# Altium PCB ESP32_Demo.PcbDoc (part 1 of 7)
Units mil, origin at the board's own origin, x right, y up, seen from the top; angles counter-clockwise.
Board outline 940.03 x 1085.03 mil, 4 copper layers (TOP1, GND02, MidLayer3, BOTTOM4); 39 components, 58 nets, 242 pads, 201 vias.
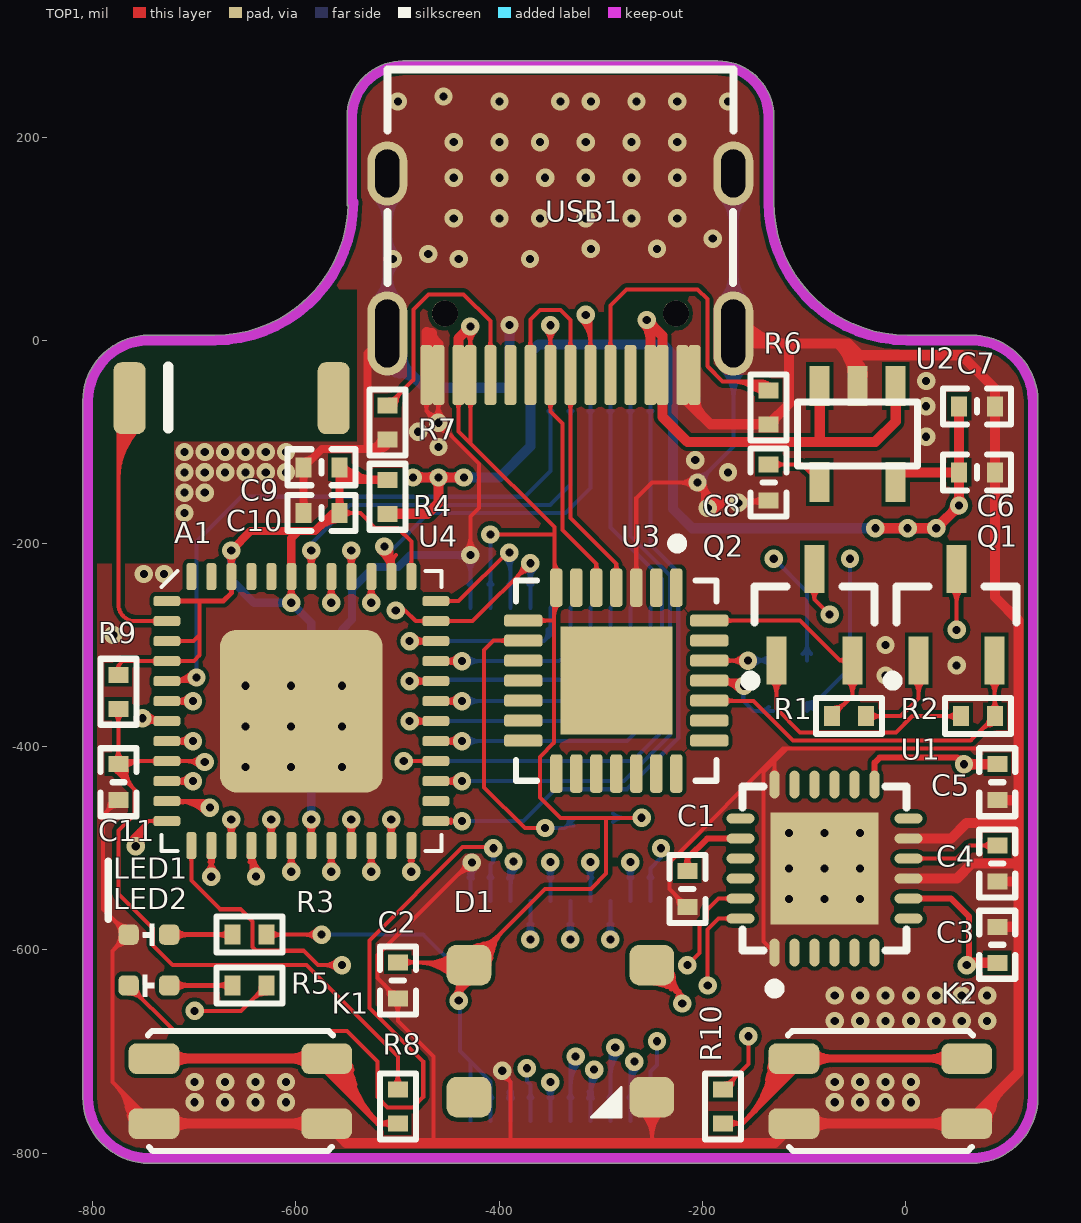
[diagram p0: TOP1 view]
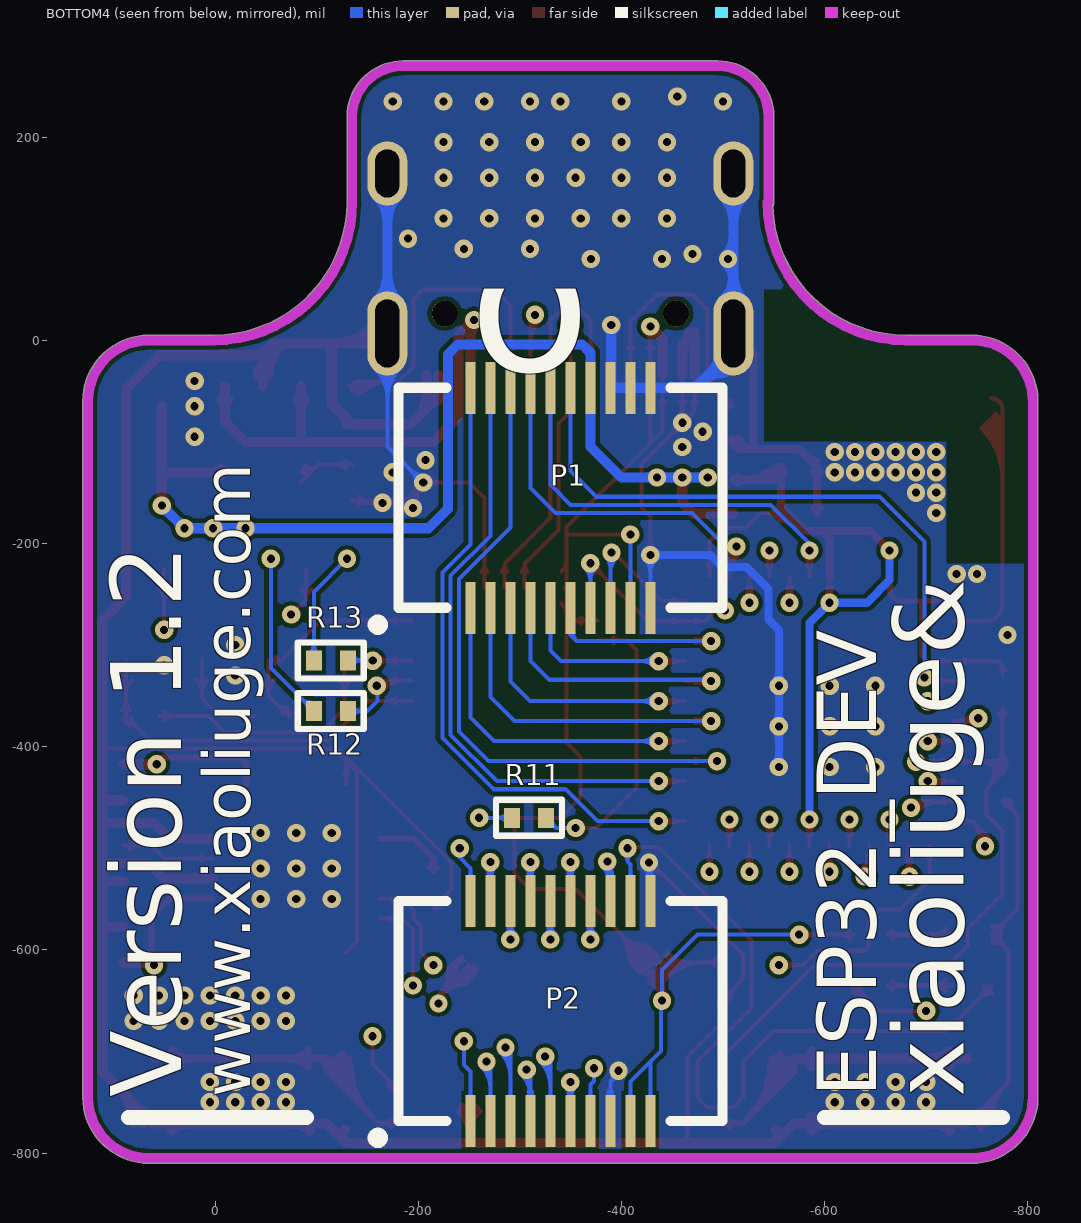
[diagram p1: BOTTOM4 view, seen from below]
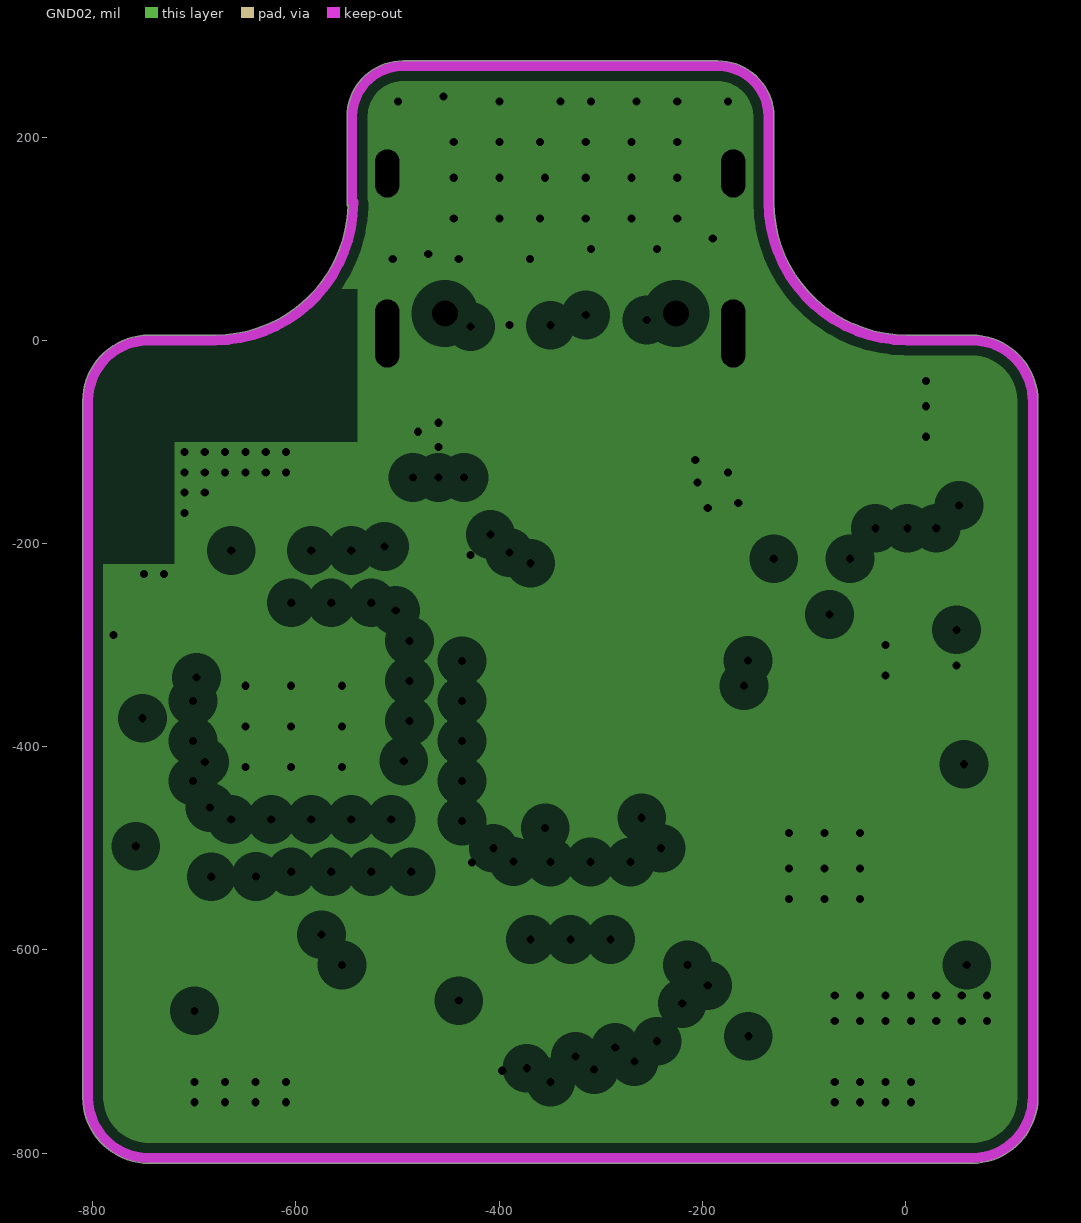
[diagram p2: GND02, clearances drawn from the general rule]
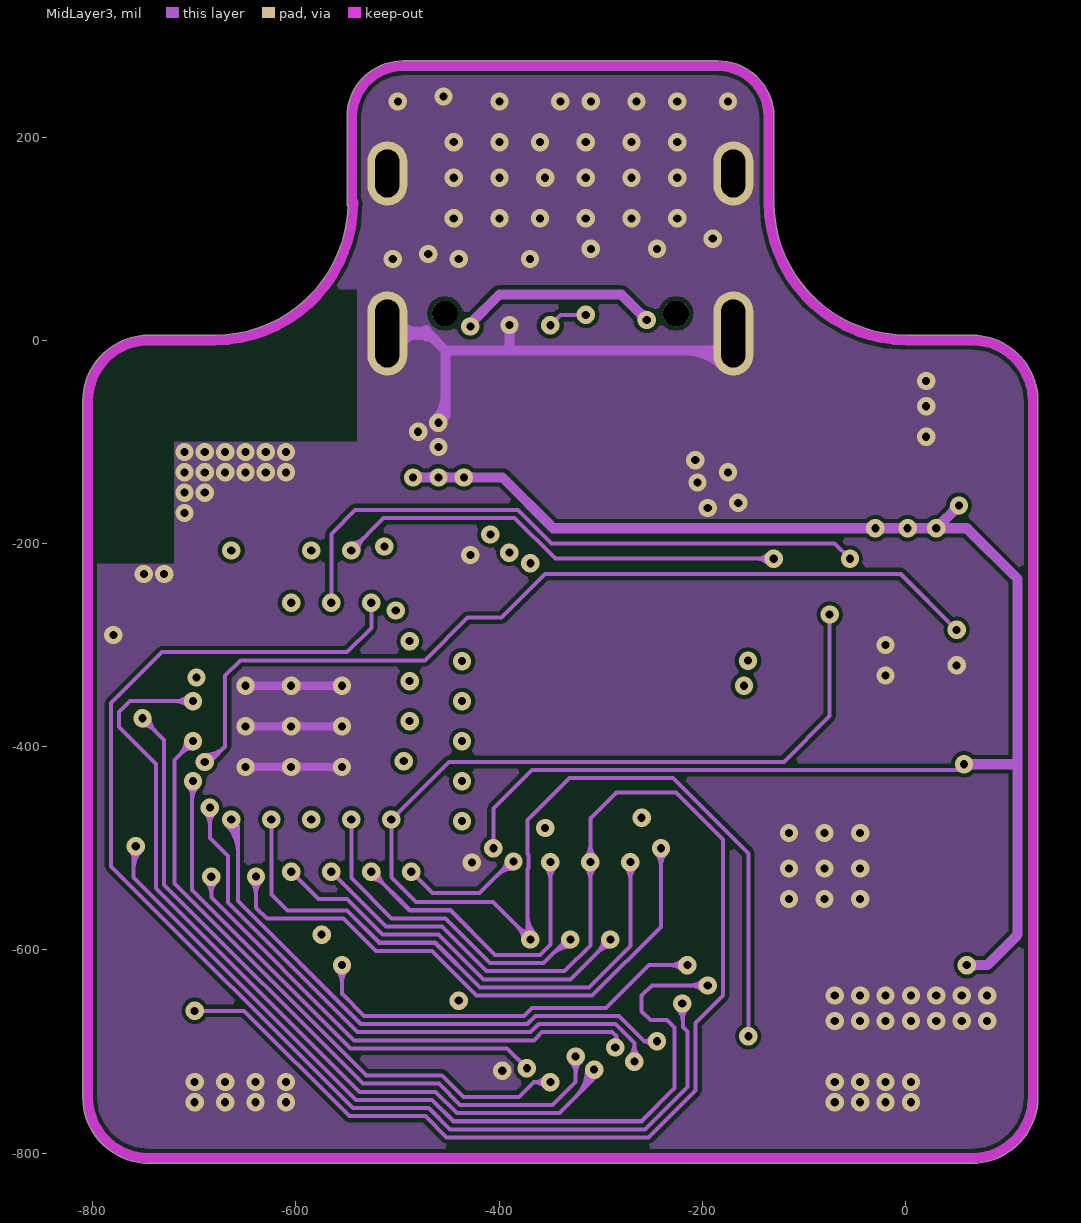
[diagram p3: MidLayer3]
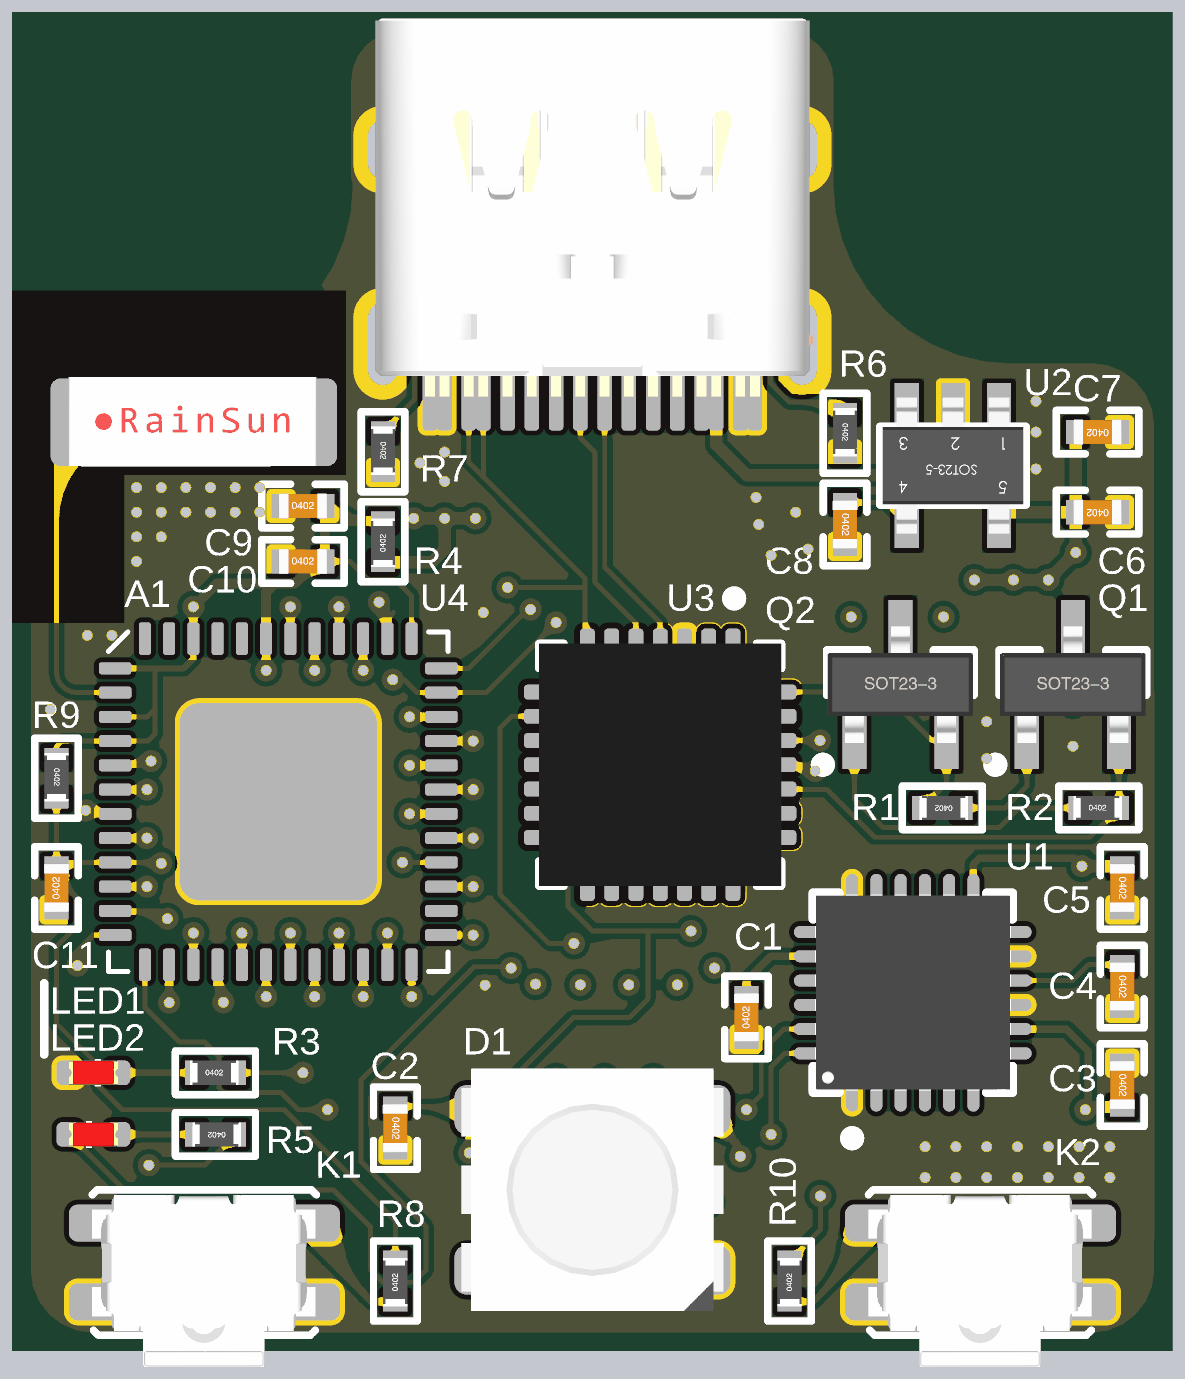
[diagram p10: 3D render of the assembled board from above, using the file's embedded part models]
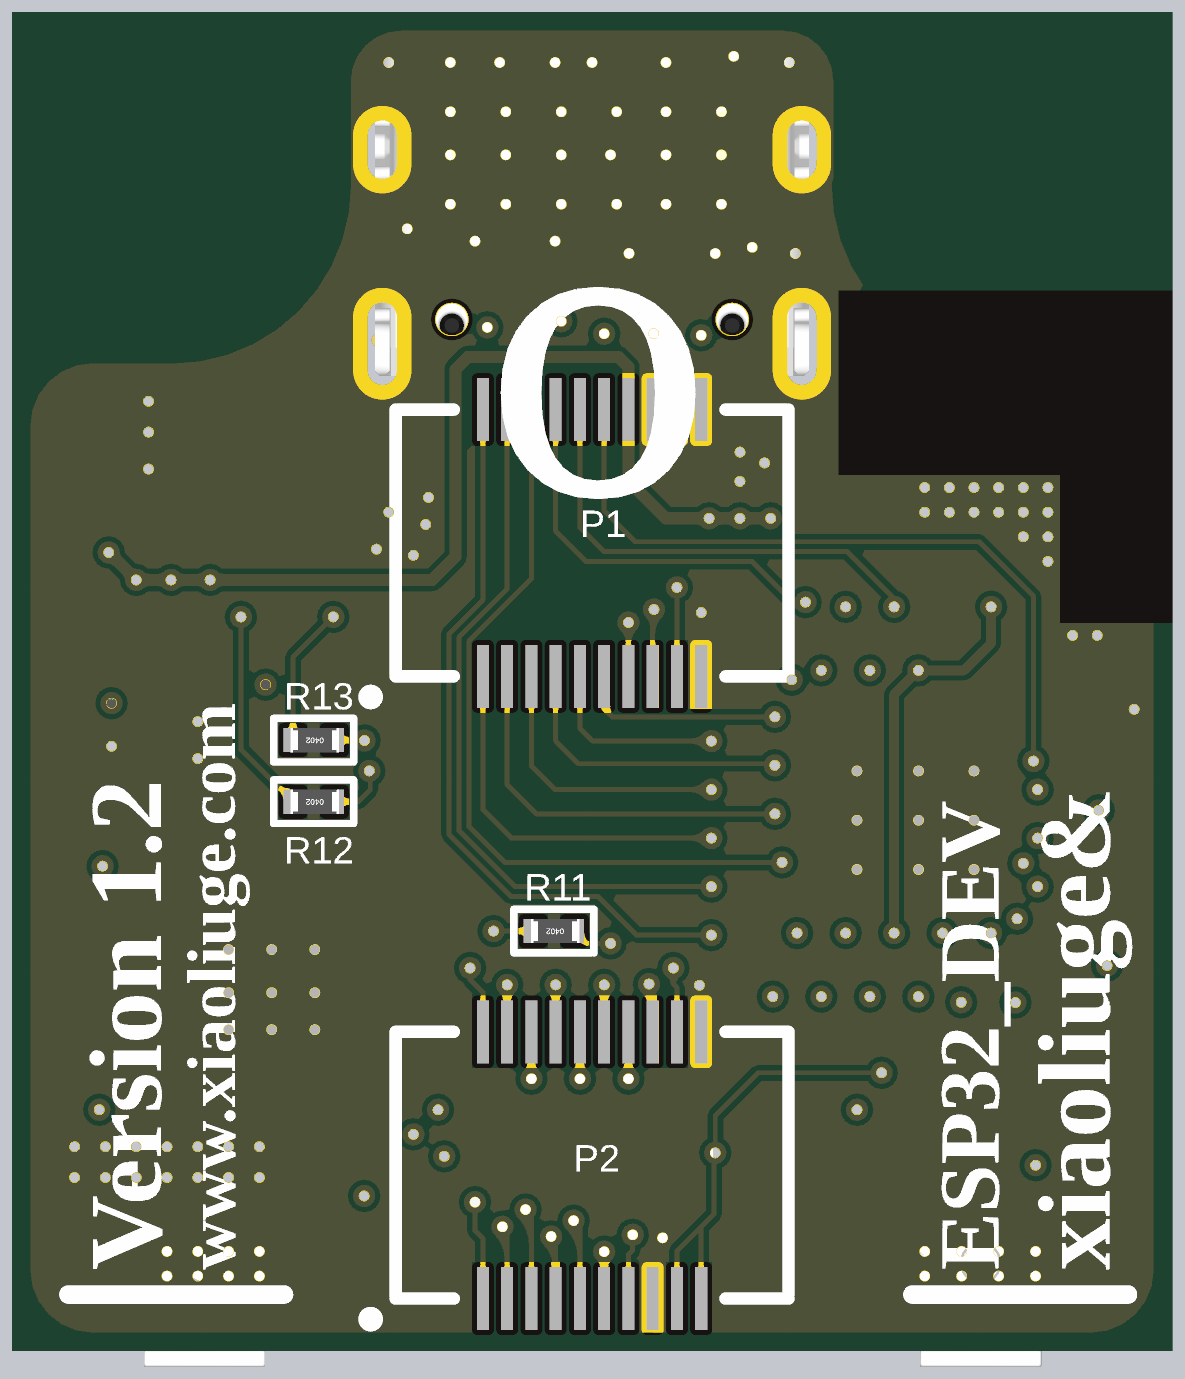
[diagram p11: 3D render of the assembled board from below, using the file's embedded part models]

## Layer stack, top to bottom
TOP1: signal copper 1.4
Dielectric: core 12.6, FR-4, Dk 4.8
GND02: plane copper 1.4, net GND
Dielectric: prepreg 12.6, FR-4, Dk 4.8
MidLayer3: signal copper 1.4
Dielectric: core 12.6, FR-4, Dk 4.8
BOTTOM4: signal copper 1.4

## Board outline
-744.77,-810.01 cw(c-744.77,-745) -809.79,-745 -809.79,-60 cw(c-744.77,-60) -744.77,5.01 -679.54,5.01 ccw(c-679.54,0) -679.66,5.01 ccw(c-679.77,0) -679.77,5.01 ccw(c-679.77,136.12) -636.97,12.2 ccw(c-679.77,136.12) -548.74,131.7 ccw(c-679.77,136.12) -548.7,133.01 cw(c-544.77,136.12) -549.74,135.45 cw(c-544.77,136.12) -549.79,136.12 -549.74,135.45 ccw(c-544.77,134.77) -549.79,134.77 ccw(c-544.77,134.77) -548.74,131.7 -549.79,134.77 -549.79,220 cw(c-494.77,220) -494.77,275.02 -184.77,275.02 cw(c-184.77,220) -129.76,220 -129.76,136.12 ccw(c1.35,136.12) 1.35,5.01 65.23,5.01 cw(c65.23,-60) 130.24,-60 130.24,-745 cw(c65.23,-745) 65.23,-810.01

## Design rules (kind name [scope] priority, off if disabled: settings)
Clearance [All] p1: gap=4
ComponentClearance [All] p1: gap=1 collisioncheckmode=3 verticalgap=10 showdistances=FALSE
DiffPairsRouting DiffPair_90OMDiffPairsRouting [InDifferentialPairClass('90OM')] p1: maxlimit=4 minlimit=4 mostfreqgap=4 maxuncoupledlength=500
DiffPairsRouting [All] p2: maxlimit=4 minlimit=4 mostfreqgap=4 maxuncoupledlength=500
MatchedLengths DiffPair_90OMMatchedLengths [InDifferentialPairClass('90OM')] p1: tolerance=1000 checknetsindiffpair=TRUE checkdiffpairvsdiffpair=TRUE checkothers=TRUE
PlaneClearance [All] p1: clearance=20
PlaneConnect [All] p1: planeconnectstyle=Direct reliefexpansion=20 reliefentries=4 reliefconductorwidth=10 reliefairgap=10
PolygonConnect [All] p1: connectstyle=Direct reliefconductorwidth=10 reliefentries=4 polygonreliefangle="90 Angle" airgapwidth=10
RoutingVias [All] p1: holewidth=8 width=17 viastyle="Through Hole" minholewidth=8 minwidth=17 maxholewidth=8 maxwidth=18
SilkscreenOverComponentPads [All] p1: minsilkscreentomaskgap=10
SolderMaskExpansion [All] p1: expansion=4
Width DiffPair_90OMWidth [InDifferentialPairClass('90OM')] p1: maxlimit=6 minlimit=4 preferedwidth=5 minimp=50.000000 maximp=50.000000 favimp=50.000000
Width [All] p2: maxlimit=15 minlimit=4 preferedwidth=4 minimp=50.000000 maximp=50.000000 favimp=50.000000
23 further rules are at their usual default settings.

## Classes and differential pairs
differential pair class 90OM: USB
differential pair USB: +USB_P -USB_N

## Components (designator, comment, footprint, x,y, rotation, side; value= is the part's Value field where it differs from the comment)
A1 "RAINSUN" ANT-Rainsun-AN5120 -663.77,-57 r0 top
C1 "2.2NF" "C 0402_L" -214.77,-540 r90 top
C2 "1UF" "C 0402_L" -499.77,-630 r270 top
C3 "0.1UF" "C 0402_L" 90.23,-595 r270 top
C4 "0.1UF" "C 0402_L" 90.23,-515 r270 top
C5 "10NF" "C 0402_L" 90.23,-435 r270 top
C6 "0.1UF" "C 0402_L" 70.23,-130 r180 top
C7 "10UF" "C 0402_L" 70.23,-65 r180 top
C8 "10NF" "C 0402_L" -134.77,-140 r270 top
C9 "0.1UF" "C 0402_L" -574.77,-125 r0 top
C10 "10UF" "C 0402_L" -574.77,-170 r0 top
C11 "0.1UF" "C 0402_L" -774.77,-435 r90 top
D1 "RGB" WS2812B -339.77,-680 r0 top
K1 "#NAME?" ButtonTACT_3.5*3.55_90 -654.77,-739 r180 top
K2 "#NAME?" ButtonTACT_3.5*3.55_90 -24.77,-739 r180 top
LED1 "COLOR" LED0402 -744.77,-585 r180 top
LED2 "COLOR" LED0402 -744.77,-635 r0 top
P1 "BTB_PITCH0.5MM_FEMALE_20PIN_HIGH1.5MM" BTB_FEMALE_0.5MMPITCH_20PIN -339.77,-155 r90 bottom
P2 "BTB_PITCH0.5MM_FEMALE_20PIN_HIGH1.5MM" BTB_FEMALE_0.5MMPITCH_20PIN -339.77,-660 r90 bottom
Q1 "SS8050" SOT23-3N 50.23,-270 r0 top
Q2 "SS8050" SOT23-3N -89.77,-270 r0 top
R1 "10K" "R 0402_L" -54.77,-370 r180 top
R2 "10K" "R 0402_L" 70.23,-370 r0 top
R3 "2K" "R 0402_L" -646.73,-585 r0 top
R4 "0R" "R 0402_L" -509.77,-155 r90 top
R5 "1K" "R 0402_L" -644.77,-635 r180 top
R6 "5.1K" "R 0402_L" -134.77,-65 r270 top
R7 "5.1K" "R 0402_L" -509.77,-80 r270 top
R8 "0R" "R 0402_L" -499.77,-755 r90 top
R9 "10K" "R 0402_L" -774.77,-345 r270 top
R10 "0R" "R 0402_L" -179.77,-755 r90 top
R11 "10K" "R 0402_L" -309.77,-470 r0 bottom
R12 "1K" "R 0402_L" -114.77,-365 r0 bottom
R13 "1K" "R 0402_L" -114.77,-315 r0 bottom
U1 "MPU6050" QFN-24 -79.77,-520 r90 top
U2 "LP2992 3V3" SOT23-5 -9.77,-45 r180 top
U3 "CP2102" QFN-28 -284.77,-335 r270 top
U4 "ESP32_SIP" QFN-48_7X7 -594.77,-365 r0 top
USB1 "Type-C" Type-C-TOP -339.77,65 r90 top

## Footprints (in the part's own frame and the unit in brackets; to place one, negate y for a bottom-side part, rotate by r counter-clockwise, add the part's x,y. Pads: shape width x height; smd on the part's side, far side on the other; paste and mask are expansions set on the pad)
ANT-Rainsun-AN5120 [mm]
  rrect50% 0.8x1.8 smd: 1(-2.54,0) ""(2.563,0)
  silkscreen extent -1.57,-0.76 -1.57,0.79, body extent -2.57,-0.91 2.54,0.94, height 1.32
BTB_FEMALE_0.5MMPITCH_20PIN [mm]
  rect 1.3x0.25 smd: 1(-2.75,2.25) 2(-2.75,1.75) 3(-2.75,1.25) 4(-2.75,0.75) 5(-2.75,0.25) 6(-2.75,-0.25) 7(-2.75,-0.75) 8(-2.75,-1.25) 9(-2.75,-1.75) 10(-2.75,-2.25) 11(2.75,-2.25) 12(2.75,-1.75) 13(2.75,-1.25) 14(2.75,-0.75) 15(2.75,-0.25) 16(2.75,0.25) 17(2.75,0.75) 18(2.75,1.25) 19(2.75,1.75) 20(2.75,2.25)
  silkscreen extent -3.3,-4.05 2.75,4.69
ButtonTACT_3.5*3.55_90 [mil]
  rrect50% 50x30 smd: 1(-85,32) 2(-85,-32) 3(85,32) 4(85,-32)
  silkscreen extent -91,-59 91,59, body extent -90,-55 91,85, height 56
"C 0402_L" [mm]
  rect 0.4x0.5 smd: 1(-0.45,0) 2(0.45,0)
  silkscreen extent -0.85,-0.45 0.85,0.45, body extent -0.5,-0.26 0.5,0.26, height 0.53
LED0402 [mil]
  rrect50% 20x20 smd: 1(-20,0) 2(20,0)
  silkscreen extent -6,-10 6,10, body extent -20,-10 20,10, height 18
QFN-24 [mm]
  oval 0.7x0.25 smd: 1(-2.1,1.25) 2(-2.1,0.75) 3(-2.1,0.25) 4(-2.1,-0.25) 5(-2.1,-0.75) 6(-2.1,-1.25) 13(2.1,-1.25) 14(2.1,-0.75) 15(2.1,-0.25) 16(2.1,0.25) 17(2.1,0.75) 18(2.1,1.25)
  oval 0.25x0.7 smd: 7(-1.25,-2.1) 8(-0.75,-2.1) 9(-0.25,-2.1) 10(0.25,-2.1) 11(0.75,-2.1) 12(1.25,-2.1) 19(1.25,2.1) 20(0.75,2.1) 21(0.25,2.1) 22(-0.25,2.1) 23(-0.75,2.1) 24(-1.25,2.1)
  rect 2.8x2.7 smd: ""(0,0)
  silkscreen extent -3.12,-2.05 2.05,2.05, body extent -2.02,-2.02 2.02,2.02, height 0.95
QFN-28 [mil]
  rrect50% 38x12 smd mask+5: 1(-91.5,59.06) 2(-91.5,39.37) 3(-91.5,19.68) 4(-91.5,0) 5(-91.5,-19.68) 6(-91.5,-39.37) 7(-91.5,-59.06) 15(91.5,-59.06) 16(91.5,-39.37) 17(91.5,-19.68) 18(91.5,0) 19(91.5,19.68) 20(91.5,39.37) 21(91.5,59.06)
  rrect50% 12x38 smd mask+5: 8(-59.06,-91.5) 9(-39.37,-91.5) 10(-19.68,-91.5) 11(0,-91.5) 12(19.68,-91.5) 13(39.37,-91.5) 14(59.06,-91.5) 22(59.06,91.5) 23(39.37,91.5) 24(19.68,91.5) 25(0,91.5) 26(-19.68,91.5) 27(-39.37,91.5) 28(-59.06,91.5)
  rect 106.3x110.24 smd: 29(0,0)
  silkscreen extent -140,-99 99,99, body extent -99,-99 98,98, height 35
QFN-48_7X7 [mm]
  rrect50% 0.675x0.25 smd: 1(-3.363,2.75) 2(-3.363,2.25) 3(-3.363,1.75) 4(-3.363,1.25) 5(-3.363,0.75) 6(-3.363,0.25) 7(-3.363,-0.25) 8(-3.363,-0.75) 9(-3.363,-1.25) 10(-3.363,-1.75) 11(-3.363,-2.25) 12(-3.363,-2.75) 25(3.363,-2.75) 26(3.363,-2.25) 27(3.363,-1.75) 28(3.363,-1.25) 29(3.363,-0.75) 30(3.363,-0.25) 31(3.363,0.25) 32(3.363,0.75) 33(3.363,1.25) 34(3.363,1.75) 35(3.363,2.25) 36(3.363,2.75)
  rrect50% 0.25x0.675 smd: 13(-2.75,-3.363) 14(-2.25,-3.363) 15(-1.75,-3.363) 16(-1.25,-3.363) 17(-0.75,-3.363) 18(-0.25,-3.363) 19(0.25,-3.363) 20(0.75,-3.363) 21(1.25,-3.363) 22(1.75,-3.363) 23(2.25,-3.363) 24(2.75,-3.363) 37(2.75,3.363) 38(2.25,3.363) 39(1.75,3.363) 40(1.25,3.363) 41(0.75,3.363) 42(0.25,3.363) 43(-0.25,3.363) 44(-0.75,3.363) 45(-1.25,3.363) 46(-1.75,3.363) 47(-2.25,3.363) 48(-2.75,3.363)
  rrect20% 4.064x4.064 smd: 49(0,0)
  silkscreen extent -3.5,-3.5 3.5,3.5, body extent -3.5,-3.5 3.5,3.5, height 1
"R 0402_L" [mm]
  rect 0.4x0.5 smd: 1(-0.4,0) 2(0.45,0)
  silkscreen extent -0.8,-0.45 0.85,0.45, body extent -0.5,-0.25 0.5,0.25, height 0.3
SOT23-3N [mm]
  rect 0.5x1.2 smd: 1(-0.95,-1.143) 2(0.95,-1.143) 3(0,1.143)
  silkscreen extent -1.72,-1.78 1.5,0.7, body extent -1.5,-1.2 1.5,1.2, height 1.05
SOT23-5 [mm]
  rect 0.5x1 smd: 1(0,0) 2(0.95,0) 3(1.9,0) 4(1.9,2.4) 5(0,2.4)
  silkscreen extent -0.55,0.4 2.45,2, body extent -0.5,-0.2 2.4,2.6, height 1.09
Type-C-TOP [mm]
  round 0.65 hole 0.65: 0(-0.98,2.89) 0(-0.98,-2.89)
  oval 1.6x1 hole 0.6 slot 1.2 at 0 deg: 1(2.52,4.325) 2(2.52,-4.325)
  oval 2.1x1 hole 0.6 slot 1.7 at 0 deg: 3(-1.48,-4.325) 4(-1.48,4.325)
  rrect50% 1.5x0.3 smd: A1(-2.52,-3.35) A4(-2.52,-2.55) A5(-2.52,-1.25) A6(-2.52,-0.25) A7(-2.52,0.25) A8(-2.52,1.25) A9(-2.52,2.55) A12(-2.52,3.35) B1(-2.52,3.05) B4(-2.52,2.25) B5(-2.52,1.75) B6(-2.52,0.75) B7(-2.52,-0.75) B8(-2.52,-1.75) B9(-2.52,-2.25) B12(-2.52,-3.05)
  silkscreen extent -0.22,-4.33 5.12,4.33, body extent -2.57,-4.48 5.18,4.48, height 3.26
WS2812B [mil]
  rrect50% 44x40 smd: 1(-90,65) 2(-90,-65) 3(90,-65) 4(90,65)
  silkscreen extent 30,-85 60,-55, body extent -106,-98 106,98, height 69

## Part data
A1: library part ANT-Rainsun-AP5120
D1: library part LED_5050_WS2812B

## Via types
v1: diameter 18, hole 8, TOP1 to BOTTOM4, tented both sides, 201 vias

## Nets (pads, with @x,y where several pads share a name; then routed paths per layer and width w, separated by ;. In a path a pad name is that pad's centre, name@x,y a point inside that pad or via, vN(x,y) a via of type N, cw(c..) or ccw(c..) an arc to the next point about the centre after c; other vN are vias at no path point)
DTR: Q2.2 R1.2 U3.28 | length 805.3
  TOP1 w4: U3.28@-193.27,-275.94 -103.83,-275.94 -64.77,-315 ; R1.2@-72.49,-370 -52.37,-349.88 Q2.2@-52.37,-315 -64.77,-315 ; U3.28@-177.44,-278.77 cw(c-170.62,-285.6) -170.62,-275.94 ; U3.28@-177.44,-278.77 cw(c-170.62,-285.6) -170.62,-275.94 ; U3.28@-177.44,-278.77 cw(c-170.62,-285.6) -170.62,-275.94 ; U3.28@-177.44,-278.77 cw(c-170.62,-285.6) -170.62,-275.94 ; U3.28@-177.44,-278.77 cw(c-170.62,-285.6) -170.62,-275.94 ; U3.28@-177.44,-278.77 cw(c-170.62,-285.6) -170.62,-275.94 ; U3.28@-177.44,-273.12 ccw(c-170.62,-266.29) -170.62,-275.94 ; U3.28@-177.44,-273.12 ccw(c-170.62,-266.29) -170.62,-275.94 ; U3.28@-177.44,-273.12 ccw(c-170.62,-266.29) -170.62,-275.94 ; U3.28@-177.44,-273.12 ccw(c-170.62,-266.29) -170.62,-275.94 ; U3.28@-177.44,-273.12 ccw(c-170.62,-266.29) -170.62,-275.94 ; U3.28@-177.44,-273.12 ccw(c-170.62,-266.29) -170.62,-275.94 ; R1.2@-74.51,-367.38 cw(c-65.13,-370.38) R1.2@-67.68,-360.87 ; R1.2@-74.51,-367.38 cw(c-65.13,-370.38) R1.2@-67.68,-360.87 ; R1.2@-74.51,-367.38 cw(c-65.13,-370.38) R1.2@-67.68,-360.87 ; R1.2@-74.51,-367.38 cw(c-65.13,-370.38) R1.2@-67.68,-360.87 ; R1.2@-74.51,-367.38 cw(c-65.13,-370.38) R1.2@-67.68,-360.87 ; R1.2@-74.51,-367.38 cw(c-65.13,-370.38) R1.2@-67.68,-360.87 ; R1.2@-74.51,-367.38 cw(c-65.13,-370.38) R1.2@-67.68,-360.87 ; R1.2@-74.51,-367.38 cw(c-65.13,-370.38) R1.2@-67.68,-360.87 ; R1.2@-74.51,-367.38 cw(c-65.13,-370.38) R1.2@-67.68,-360.87 ; R1.2@-74.51,-367.38 cw(c-65.13,-370.38) R1.2@-67.68,-360.87 ; R1.2@-74.51,-367.38 cw(c-65.13,-370.38) R1.2@-67.68,-360.87 ; R1.2@-74.51,-367.38 cw(c-65.13,-370.38) R1.2@-67.68,-360.87 ; R1.2@-74.51,-367.38 cw(c-65.13,-370.38) R1.2@-67.68,-360.87 ; R1.2@-74.51,-367.38 cw(c-65.13,-370.38) R1.2@-67.68,-360.87 ; R1.2@-74.51,-367.38 cw(c-65.13,-370.38) R1.2@-67.68,-360.87 ; R1.2@-72.49,-366.15 ccw(c-72.49,-356.88) R1.2@-65.93,-363.44 ; R1.2@-72.49,-366.15 ccw(c-72.49,-356.88) R1.2@-65.93,-363.44 ; R1.2@-72.49,-366.15 ccw(c-72.49,-356.88) R1.2@-65.93,-363.44 ; R1.2@-72.49,-366.15 ccw(c-72.49,-356.88) R1.2@-65.93,-363.44 ; R1.2@-72.49,-366.15 ccw(c-72.49,-356.88) R1.2@-65.93,-363.44 ; R1.2@-72.49,-366.15 ccw(c-72.49,-356.88) R1.2@-65.93,-363.44 ; R1.2@-72.49,-362.15 ccw(c-72.49,-343.22) -59.1,-356.61 ; R1.2@-72.49,-362.15 ccw(c-72.49,-343.22) -59.1,-356.61 ; R1.2@-72.49,-362.15 ccw(c-72.49,-343.22) -59.1,-356.61 ; R1.2@-72.49,-362.15 ccw(c-72.49,-343.22) -59.1,-356.61 ; R1.2@-72.49,-362.15 ccw(c-72.49,-343.22) -59.1,-356.61 ; R1.2@-72.49,-362.15 ccw(c-72.49,-343.22) -59.1,-356.61 ; R1.2@-66.61,-368.03 cw(c-57.18,-368.03) -63.85,-361.36 ; R1.2@-66.61,-368.03 cw(c-57.18,-368.03) -63.85,-361.36 ; R1.2@-66.61,-368.03 cw(c-57.18,-368.03) -63.85,-361.36 ; R1.2@-66.61,-368.03 cw(c-57.18,-368.03) -63.85,-361.36 ; R1.2@-66.61,-368.03 cw(c-57.18,-368.03) -63.85,-361.36 ; R1.2@-66.61,-368.03 cw(c-57.18,-368.03) -63.85,-361.36 ; -64.77,-315 cw(c-64.77,-320.88) Q2.2@-59.46,-318.36 ; -64.77,-315 ccw(c-64.77,-309.12) Q2.2@-59.46,-311.64 ; -64.77,-315 cw(c-64.77,-320.88) Q2.2@-59.46,-318.36 ; -64.77,-315 ccw(c-64.77,-309.12) Q2.2@-59.46,-311.64 ; -64.77,-315 cw(c-64.77,-320.88) Q2.2@-59.46,-318.36 ; -64.77,-315 ccw(c-64.77,-309.12) Q2.2@-59.46,-311.64 ; -64.77,-315 cw(c-64.77,-320.88) Q2.2@-59.46,-318.36 ; -64.77,-315 ccw(c-64.77,-309.12) Q2.2@-59.46,-311.64 ; -64.77,-315 cw(c-64.77,-320.88) Q2.2@-59.46,-318.36 ; -64.77,-315 ccw(c-64.77,-309.12) Q2.2@-59.46,-311.64 ; -64.77,-315 ccw(c-64.77,-309.12) Q2.2@-59.46,-311.64 ; -64.77,-315 cw(c-64.77,-320.88) Q2.2@-59.46,-318.36 ; Q2.2@-57.92,-334.32 cw(c-71.3,-347.71) -52.37,-347.71 ; Q2.2@-57.92,-334.32 cw(c-71.3,-347.71) -52.37,-347.71 ; Q2.2@-57.92,-334.32 cw(c-71.3,-347.71) -52.37,-347.71 ; -52.37,-347.71 cw(c-33.44,-347.71) Q2.2@-46.83,-334.32 ; -52.37,-347.71 cw(c-33.44,-347.71) Q2.2@-46.83,-334.32 ; -52.37,-347.71 cw(c-33.44,-347.71) Q2.2@-46.83,-334.32
EN: C11.2 Q1.3 R8.2 R9.2 U4.9 | length 2912
  TOP1 w4: R9.2@-774.78,-362.71 C11.2@-774.77,-417.29 -774.77,-426.52 ; C11.2@-773.64,-423.1 cw(c-774.78,-431.02) -768.38,-426.23 ; C11.2@-771.7,-414.21 U4.9@-727.15,-414.21 -690.56,-414.21 v1(-689.77,-415) ; C11.2@-767.57,-419.96 ccw(c-760.59,-423.54) -766.87,-428.24 ; -708.57,-414.21 cw(c-708.57,-433.8) v1@-694.72,-419.95 ; -704.77,-414.21 ccw(c-704.77,-400) v1@-694.72,-410.05 ; -698.92,-414.21 cw(c-698.92,-424.14) v1@-691.89,-417.12 ; R8.2@-499.77,-737.29 -499.77,-705 -589.77,-615 -721.33,-615 -740.77,-595.56 -740.77,-579 -774.77,-545 -774.77,-482.43 -758.93,-466.59 -758.93,-442.36 ; v1(50.23,-285) Q1.3@50.23,-225 ; C11.2@-778.92,-413.13 ccw(c-788.93,-403.12) -774.78,-403.12 ; C11.2@-778.92,-413.13 ccw(c-788.93,-403.12) -774.78,-403.12 ; C11.2@-778.92,-413.13 ccw(c-788.93,-403.12) -774.78,-403.12 ; C11.2@-778.92,-413.13 ccw(c-788.93,-403.12) -774.78,-403.12 ; C11.2@-778.92,-413.13 ccw(c-788.93,-403.12) -774.78,-403.12 ; C11.2@-778.92,-413.13 ccw(c-788.93,-403.12) -774.78,-403.12 ; R9.2@-778.93,-366.87 cw(c-788.96,-376.89) -774.78,-376.89 ; R9.2@-778.93,-366.87 cw(c-788.96,-376.89) -774.78,-376.89 ; R9.2@-778.93,-366.87 cw(c-788.96,-376.89) -774.78,-376.89 ; R9.2@-778.93,-366.87 cw(c-788.96,-376.89) -774.78,-376.89 ; R9.2@-778.93,-366.87 cw(c-788.96,-376.89) -774.78,-376.89 ; R9.2@-778.93,-366.87 cw(c-788.96,-376.89) -774.78,-376.89 ; C11.2@-778.86,-416.41 ccw(c-768.38,-417.93) -775.87,-425.42 ; C11.2@-778.86,-416.41 ccw(c-768.38,-417.93) -775.87,-425.42 ; C11.2@-778.86,-416.41 ccw(c-768.38,-417.93) -775.87,-425.42 ; C11.2@-777.26,-422.61 cw(c-779.09,-426.52) -774.77,-426.52 ; C11.2@-777.26,-422.61 cw(c-779.09,-426.52) -774.77,-426.52 ; C11.2@-777.26,-422.61 cw(c-779.09,-426.52) -774.77,-426.52 ; C11.2@-777.26,-422.61 cw(c-779.09,-426.52) -774.77,-426.52 ; C11.2@-777.26,-422.61 cw(c-779.09,-426.52) -774.77,-426.52 ; C11.2@-777.26,-422.61 cw(c-779.09,-426.52) -774.77,-426.52 ; C11.2@-774.9,-416.98 ccw(c-758.51,-419.35) -770.22,-431.06 ; C11.2@-774.9,-416.98 ccw(c-758.51,-419.35) -770.22,-431.06 ; C11.2@-774.9,-416.98 ccw(c-758.51,-419.35) -770.22,-431.06 ; -774.77,-426.52 cw(c-770.45,-426.52) C11.2@-772.28,-422.61 ; -774.77,-426.52 cw(c-770.45,-426.52) C11.2@-772.28,-422.61 ; -774.77,-426.52 cw(c-770.45,-426.52) C11.2@-772.28,-422.61 ; -774.77,-426.52 cw(c-770.45,-426.52) C11.2@-772.28,-422.61 ; -774.77,-426.52 cw(c-770.45,-426.52) C11.2@-772.28,-422.61 ; -774.77,-426.52 cw(c-770.45,-426.52) C11.2@-772.28,-422.61 ; -774.77,-426.52 -758.93,-442.36 ; -774.78,-403.09 ccw(c-760.57,-403.09) C11.2@-770.62,-413.13 ; -774.78,-403.09 ccw(c-760.57,-403.09) C11.2@-770.62,-413.13 ; -774.78,-403.09 ccw(c-760.57,-403.09) C11.2@-770.62,-413.13 ; -774.78,-403.09 ccw(c-760.57,-403.09) C11.2@-770.62,-413.13 ; -774.78,-403.09 ccw(c-760.57,-403.09) C11.2@-770.62,-413.13 ; -774.78,-403.09 ccw(c-760.57,-403.09) C11.2@-770.62,-413.13 ; -774.78,-376.89 cw(c-760.59,-376.89) R9.2@-770.62,-366.87 ; -774.78,-376.89 cw(c-760.59,-376.89) R9.2@-770.62,-366.87 ; -774.78,-376.89 cw(c-760.59,-376.89) R9.2@-770.62,-366.87 ; -774.78,-376.89 cw(c-760.59,-376.89) R9.2@-770.62,-366.87 ; -774.78,-376.89 cw(c-760.59,-376.89) R9.2@-770.62,-366.87 ; -774.78,-376.89 cw(c-760.59,-376.89) R9.2@-770.62,-366.87 ; C11.2@-773.96,-418.76 cw(c-788.74,-437.53) -765.01,-434.71 ; C11.2@-773.96,-418.76 cw(c-788.74,-437.53) -765.01,-434.71 ; C11.2@-773.96,-418.76 cw(c-780.58,-427.17) -769.95,-425.91 ; C11.2@-773.96,-418.76 cw(c-780.58,-427.17) -769.95,-425.91 ; C11.2@-773.96,-418.76 cw(c-788.74,-437.53) -765.01,-434.71 ; C11.2@-773.96,-418.76 cw(c-780.58,-427.17) -769.95,-425.91 ; C11.2@-771.48,-418.61 cw(c-760.85,-429.23) -760.85,-414.21 ; C11.2@-771.48,-418.61 cw(c-760.85,-429.23) -760.85,-414.21 ; C11.2@-771.48,-418.61 cw(c-760.85,-429.23) -760.85,-414.21 ; C11.2@-771.48,-418.61 cw(c-760.85,-429.23) -760.85,-414.21 ; C11.2@-771.48,-418.61 cw(c-760.85,-429.23) -760.85,-414.21 ; C11.2@-771.48,-418.61 cw(c-760.85,-429.23) -760.85,-414.21 ; C11.2@-771.49,-415.62 cw(c-780.29,-426.8) C11.2@-766.15,-425.12 ; C11.2@-771.49,-415.62 cw(c-780.29,-426.8) C11.2@-766.15,-425.12 ; C11.2@-771.49,-415.62 cw(c-780.29,-426.8) C11.2@-766.15,-425.12 ; C11.2@-770.95,-417.55 ccw(c-748.64,-420.78) -764.58,-436.71 ; C11.2@-770.95,-417.55 ccw(c-748.64,-420.78) -764.58,-436.71 ; C11.2@-770.95,-417.55 ccw(c-748.64,-420.78) -764.58,-436.71 ; -769.84,-426.82 cw(c-761.9,-425.87) C11.2@-768.19,-420.92 ; -769.84,-426.82 cw(c-761.9,-425.87) C11.2@-768.19,-420.92 ; -769.84,-426.82 cw(c-761.9,-425.87) C11.2@-768.19,-420.92 ; C11.2@-768.65,-421.44 cw(c-751.2,-438.89) -751.2,-414.21 ; C11.2@-768.65,-421.44 cw(c-751.2,-438.89) -751.2,-414.21 ; C11.2@-768.65,-421.44 cw(c-751.2,-438.89) -751.2,-414.21 ; C11.2@-768.65,-421.44 cw(c-751.2,-438.89) -751.2,-414.21 ; C11.2@-768.65,-421.44 cw(c-751.2,-438.89) -751.2,-414.21 ; C11.2@-768.65,-421.44 cw(c-751.2,-438.89) -751.2,-414.21 ; C11.2@-766.99,-418.13 ccw(c-738.77,-422.2) -758.93,-442.36 ; C11.2@-766.99,-418.13 ccw(c-738.77,-422.2) -758.93,-442.36 ; C11.2@-766.99,-418.13 ccw(c-738.77,-422.2) -758.93,-442.36 ; -742.57,-414.21 cw(c-742.57,-421.26) U4.9@-737.59,-416.28 ; -742.57,-414.21 ccw(c-742.57,-407.16) U4.9@-737.59,-412.15 ; -742.57,-414.21 cw(c-742.57,-421.26) U4.9@-737.59,-416.28 ; -742.57,-414.21 ccw(c-742.57,-407.16) U4.9@-737.59,-412.15 ; -742.57,-414.21 cw(c-742.57,-421.26) U4.9@-737.59,-416.28 ; -742.57,-414.21 ccw(c-742.57,-407.16) U4.9@-737.59,-412.15 ; -742.57,-414.21 cw(c-742.57,-421.26) U4.9@-737.59,-416.28 ; -742.57,-414.21 ccw(c-742.57,-407.16) U4.9@-737.59,-412.15 ; -742.57,-414.21 cw(c-742.57,-421.26) U4.9@-737.59,-416.28 ; -742.57,-414.21 ccw(c-742.57,-407.16) U4.9@-737.59,-412.15 ; -742.57,-414.21 ccw(c-742.57,-407.16) U4.9@-737.59,-412.15 ; -742.57,-414.21 cw(c-742.57,-421.26) U4.9@-737.59,-416.28 ; U4.9@-716.72,-416.28 cw(c-711.74,-421.26) -711.74,-414.21 ; U4.9@-716.72,-416.28 cw(c-711.74,-421.26) -711.74,-414.21 ; U4.9@-716.72,-416.28 cw(c-711.74,-421.26) -711.74,-414.21 ; U4.9@-716.72,-416.28 cw(c-711.74,-421.26) -711.74,-414.21 ; U4.9@-716.72,-416.28 cw(c-711.74,-421.26) -711.74,-414.21 ; U4.9@-716.72,-416.28 cw(c-711.74,-421.26) -711.74,-414.21 ; U4.9@-716.72,-412.15 ccw(c-711.74,-407.16) -711.74,-414.21 ; U4.9@-716.72,-412.15 ccw(c-711.74,-407.16) -711.74,-414.21 ; U4.9@-716.72,-412.15 ccw(c-711.74,-407.16) -711.74,-414.21 ; U4.9@-716.72,-412.15 ccw(c-711.74,-407.16) -711.74,-414.21 ; U4.9@-716.72,-412.15 ccw(c-711.74,-407.16) -711.74,-414.21 ; U4.9@-716.72,-412.15 ccw(c-711.74,-407.16) -711.74,-414.21 ; R8.2@-503.92,-733.13 ccw(c-513.95,-723.11) -499.77,-723.11 ; R8.2@-503.92,-733.13 ccw(c-513.95,-723.11) -499.77,-723.11 ; R8.2@-503.92,-733.13 ccw(c-513.95,-723.11) -499.77,-723.11 ; R8.2@-503.92,-733.13 ccw(c-513.95,-723.11) -499.77,-723.11 ; R8.2@-503.92,-733.13 ccw(c-513.95,-723.11) -499.77,-723.11 ; R8.2@-503.92,-733.13 ccw(c-513.95,-723.11) -499.77,-723.11 ; -499.77,-723.11 ccw(c-485.59,-723.11) R8.2@-495.62,-733.13 ; -499.77,-723.11 ccw(c-485.59,-723.11) R8.2@-495.62,-733.13 ; -499.77,-723.11 ccw(c-485.59,-723.11) R8.2@-495.62,-733.13 ; -499.77,-723.11 ccw(c-485.59,-723.11) R8.2@-495.62,-733.13 ; -499.77,-723.11 ccw(c-485.59,-723.11) R8.2@-495.62,-733.13 ; -499.77,-723.11 ccw(c-485.59,-723.11) R8.2@-495.62,-733.13 ; Q1.3@44.68,-244.32 cw(c31.29,-257.71) 50.23,-257.71 ; Q1.3@44.68,-244.32 cw(c31.29,-257.71) 50.23,-257.71 ; Q1.3@44.68,-244.32 cw(c31.29,-257.71) 50.23,-257.71 ; 50.23,-257.71 cw(c69.16,-257.71) Q1.3@55.77,-244.32 ; 50.23,-257.71 cw(c69.16,-257.71) Q1.3@55.77,-244.32 ; 50.23,-257.71 cw(c69.16,-257.71) Q1.3@55.77,-244.32